# Altium PCB VESC_DEVICE_60100.PcbDoc
Units mm, origin at the board's own origin, x right, y up, seen from the top; angles counter-clockwise.
Board outline 72 x 52 mm, 4 copper layers (TOP, LAYER_1, LAYER_2, BOTTOM), stack 1.578 mm thick; 187 components, 127 nets, 629 pads, 43 vias.
Unrouted connection lines stored in the file: 115.
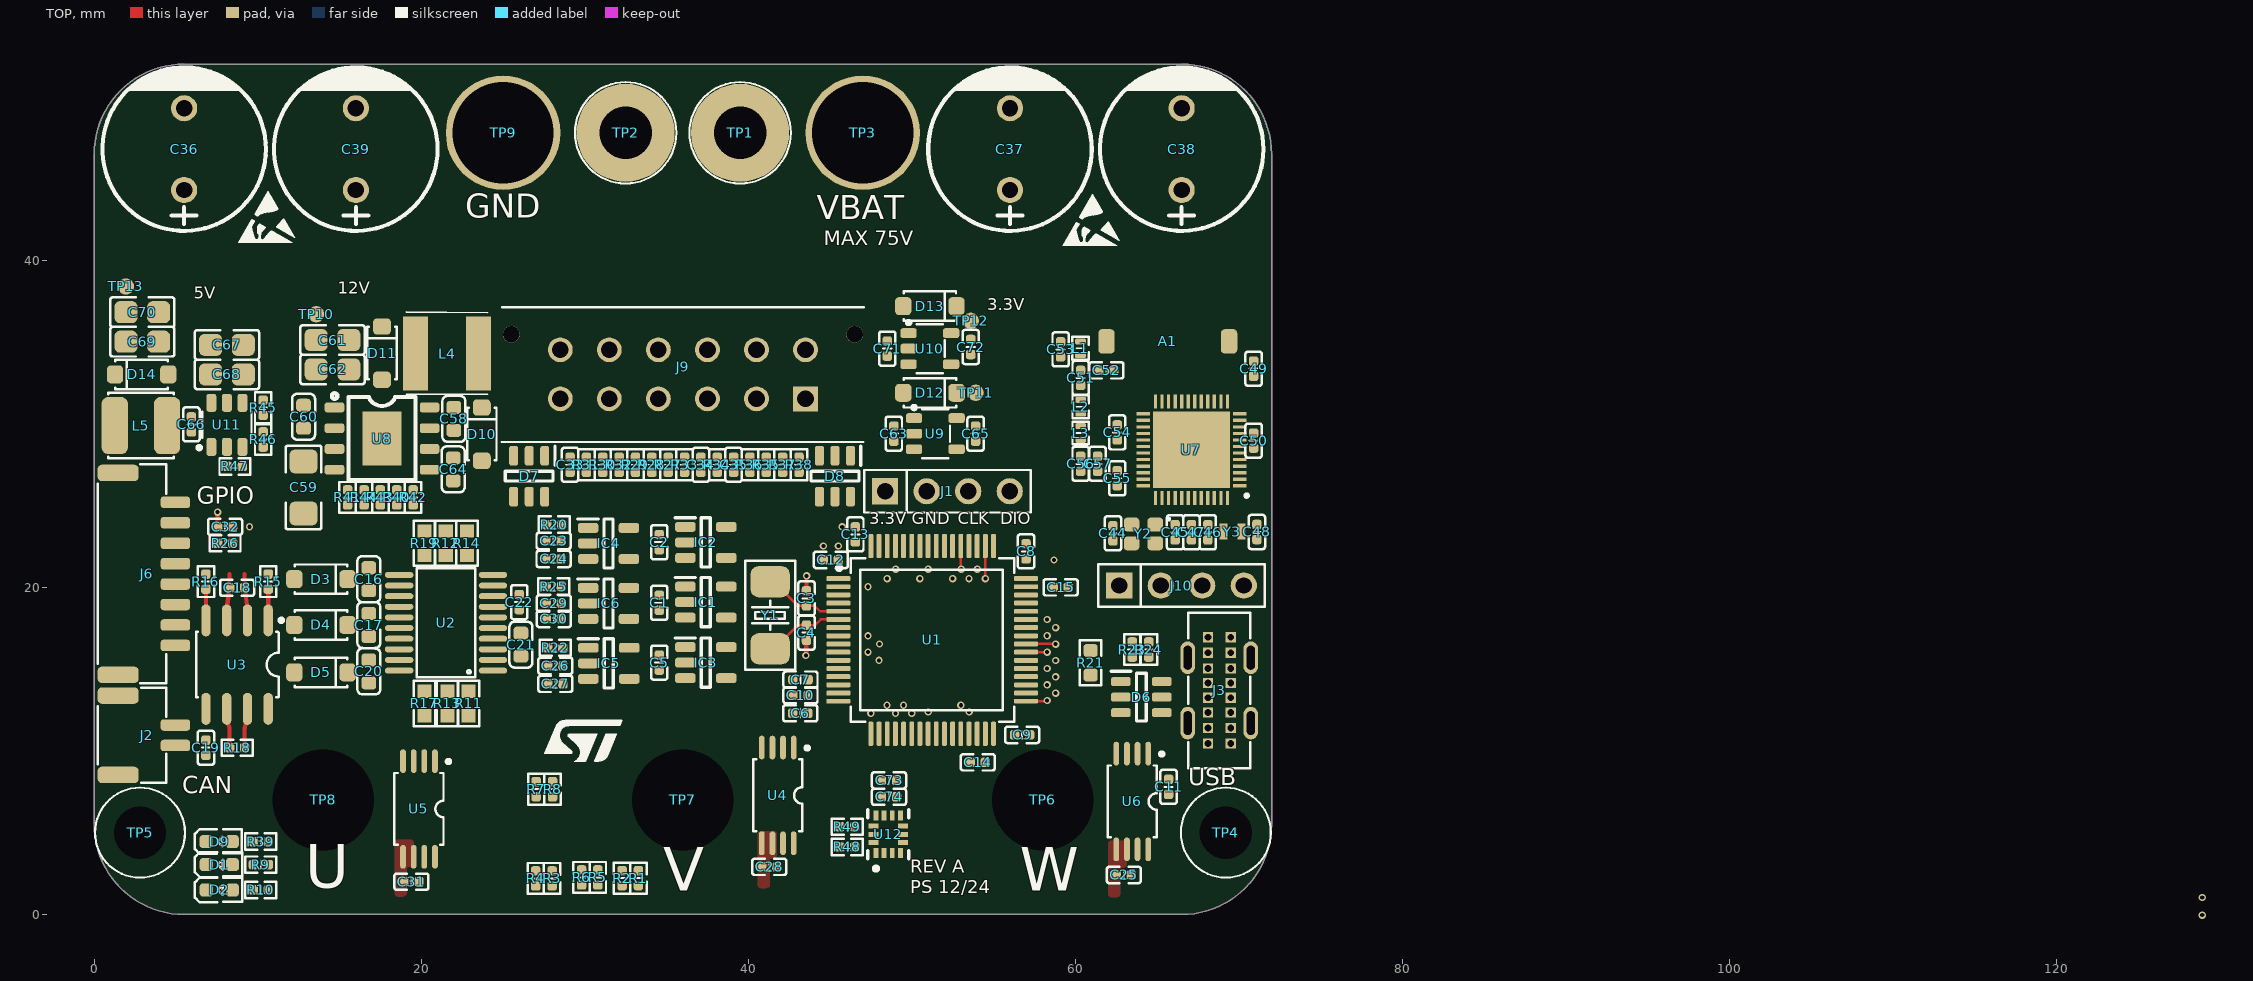
[diagram p0: TOP view]
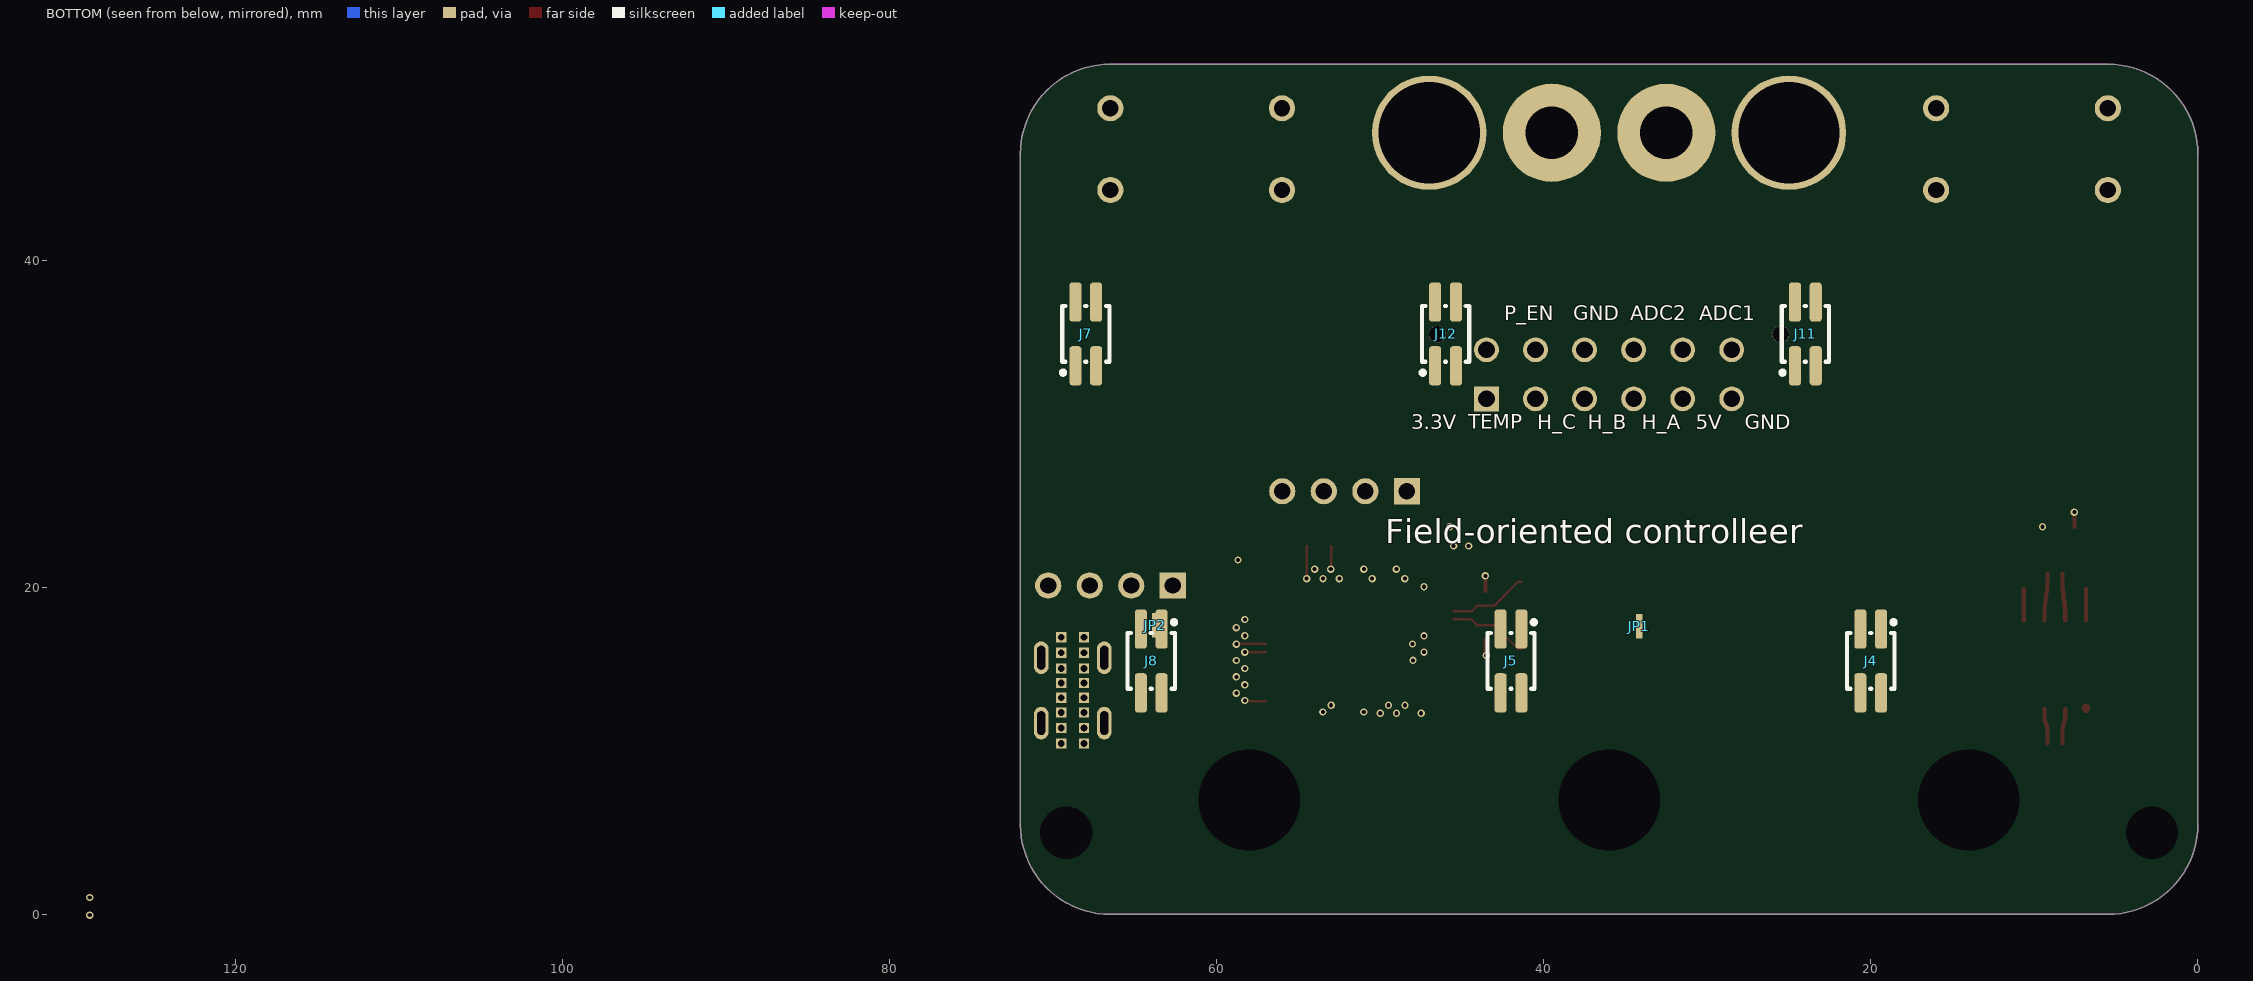
[diagram p1: BOTTOM view, seen from below]

## Layer stack, top to bottom
Top Solder: solder mask 0.0102, Solder Resist, Dk 3.5
TOP: signal copper 0.0305
Dielectric 1: core 0.2032, FR-4, Dk 4.5
LAYER_1: signal copper 0.0305
Dielectric2: core 1.05, Core-042, Dk 4.6
LAYER_2: signal copper 0.0305
Dielectric3: core 0.2032, FR-4, Dk 4.5
BOTTOM: signal copper 0.0305
Bottom Solder: solder mask 0.0102, Solder Resist, Dk 3.5

## Board outline
0,5.5 0,46.5 cw(c5.5,46.5) 5.5,52 66.5,52 cw(c66.5,46.5) 72,46.5 72,5.5 cw(c66.5,5.5) 66.5,0 5.5,0 cw(c5.5,5.5)

## Design rules (kind name [scope] priority, off if disabled: settings)
BoardOutlineClearance [All] p1: gap=0.254 ignorepadtopadclearanceinfootprint=FALSE except(0: Arc-SplitContinuation Track-SplitContinuation SMDPad-SplitContinuation THPad-SplitContinuation Via-SplitContinuation Fill-SplitContinuation Poly-SplitContinuation Region-SplitContinuation Text-SplitContinuation; 0.051: Arc-OutlineEdge Track-OutlineEdge SMDPad-OutlineEdge THPad-OutlineEdge Via-OutlineEdge Fill-OutlineEdge Region-OutlineEdge Text-OutlineEdge)
Clearance [All] p1: gap=0.152 ignorepadtopadclearanceinfootprint=FALSE except(0.254: THPad-Fill THPad-Poly THPad-Region Fill-Hole Poly-Hole Region-Hole)
HoleSize [All] p1: absolutevalues=TRUE maxlimit=25.4 minlimit=0.025 maxpercent=80.000 minpercent=20.000
MinimumSolderMaskSliver [All] p1: minsoldermaskwidth=0.051
PlaneConnect [All] p1: planeconnectstyle=Direct reliefexpansion=0.508 reliefentries=4 reliefconductorwidth=0.254 reliefairgap=0.254
PolygonConnect [All] p1: connectstyle=Direct reliefconductorwidth=0.254 reliefentries=4 polygonreliefangle="90 Angle" airgapwidth=0.254
RoutingVias [All] p1: holewidth=0.25 width=0.45 viastyle="Through Hole" minholewidth=0.25 minwidth=0.45 maxholewidth=0.711 maxwidth=1.27
ShortCircuit ShortCircuit_1 [InComponent('JP1','JP2')] p1: allowed=TRUE
ShortCircuit [All] p2: allowed=FALSE
SilkToSilkClearance [All] p1: silktosilkclearance=0.051
SilkToSolderMaskClearance [IsPad] p1: minsilkscreentomaskgap=0.025 clearancetoexposedcopper=TRUE
SolderMaskExpansion [All] p1: expansion=0.051 istentingtop=FALSE
SupplyNets "Schematic Supply Nets_10" [InNet('5V')] p1: voltage=0.000
SupplyNets "Schematic Supply Nets_9" [InNet('3V3')] p2: voltage=0.000
SupplyNets "Schematic Supply Nets_8" [InNet('VIN')] p3: voltage=0.000
SupplyNets "Schematic Supply Nets_7" [InNet('12V')] p4: voltage=0.000
SupplyNets "Schematic Supply Nets_6" [InNet('VBAT')] p5: voltage=0.000
SupplyNets "Schematic Supply Nets_5" [InNet('SHC')] p6: voltage=0.000
SupplyNets "Schematic Supply Nets_4" [InNet('SHA')] p7: voltage=0.000
SupplyNets "Schematic Supply Nets_3" [InNet('SHB')] p8: voltage=0.000
SupplyNets "Schematic Supply Nets_2" [InNet('3V3_RF')] p9: voltage=0.000
SupplyNets "Schematic Supply Nets_1" [InNet('PGND')] p10: voltage=0.000
SupplyNets "Schematic Supply Nets" [InNet('GND')] p11: voltage=0.000
Width [All] p1: maxlimit=2.54 minlimit=0.152 preferedwidth=0.254
24 further rules are at their usual default settings.

## Classes and differential pairs
component class BMI160: C73 C74 R48 R49 U12
component class Power: C58 C59 C60 C61 C62 C63 C64 C65 C66 C67 C68 C69 C70 C71 C72 D10 D11 D12 D13 D14 L4 L5 R40 R41 R42 R43 R44 R45 R46 R47 TP10 TP11 TP12 TP13 U8 U9 U10 U11
component class NRF51822: A1 C44 C45 C46 C47 C48 C49 C50 C51 C52 C53 C54 C55 C56 C57 D9 J10 L1 L2 L3 R39 U7 Y2 Y3
component class Connector: C32 C33 C34 C35 C36 C37 C38 C39 D7 D8 J4 J5 J6 J7 J8 J9 J11 J12 JP1 JP2 R26 R27 R28 R29 R30 R31 R32 R33 R34 R35 R36 R37 R38 TP1 TP2 TP3 TP4 TP5 TP6 TP7 TP8 TP9
component class Gate_Drive: C16 C17 C18 C19 C20 C21 C22 C23 C24 C25 C26 C27 C28 C29 C30 C31 D3 D4 D5 D6 IC4 IC5 IC6 J2 J3 R11 R12 R13 R14 R15 R16 R17 R18 R19 R20 R21 R22 R23 R24 R25 U2 U3 U4 U5 U6
component class MCU: C1 C2 C3 C4 C5 C6 C7 C8 C9 C10 C11 C12 C13 C14 C15 D1 D2 IC1 IC2 IC3 J1 R1 R2 R3 R4 R5 R6 R7 R8 R9 R10 U1 Y1

## Components (designator, comment, footprint, x,y, rotation, side; value= is the part's Value field where it differs from the comment)
A1 "MIFA Antenna" ANT-2.4GHZ-8.0X1.0MM 65.65,35.039 r0 top
C1 "100nF/50V" C0402 34.557,19.06 r270 top
C2 "100nF/50V" C0402 34.557,22.763 r90 top
C3 "15pF/50V" C0402 43.557,19.329 r270 top
C4 "15pF/50V" C0402 43.557,17.229 r90 top
C5 "100nF/50V" C0402 34.557,15.4 r270 top
C6 "100nF/50V" C0402 43.177,12.303 r180 top
C7 "100nF/50V" C0402 43.191,14.359 r0 top
C8 "2.2uF/6.3V" C0402 56.982,22.2 r270 top
C9 "2.2uF/6.3V" C0402 56.746,10.978 r180 top
C10 "2.2uF/6.3V" C0402 43.191,13.399 r0 top
C11 "2.2uF/6.3V" C0402 65.7,7.8 r270 top
C12 "2.2uF/6.3V" C0402 45.046,21.678 r0 top
C13 "2.2uF/6.3V" C0402 46.546,23.238 r270 top
C14 "2.2uF/6.3V" C0402 54.034,9.3 r180 top
C15 "2.2uF/6.3V" C0402 59.1,20 r0 top
C16 "2.2uF/50V" C0603 16.795,20.501 r270 top
C17 "2.2uF/50V" C0603 16.795,17.699 r270 top
C18 "2.2uF/6.3V" C0402 8.737,19.975 r180 top
C19 "2.2uF/6.3V" C0402 6.832,10.196 r270 top
C20 "2.2uF/50V" C0603 16.795,14.861 r270 top
C21 "10uF/16V" C0603 26.095,16.499 r90 top
C22 "100nF/50V" C0402 25.995,19.1 r270 top
C23 "1nF/50V" C0402 28.088,22.842 r0 top
C24 "15nF/50V" C0402 28.088,21.736 r0 top
C25 "2.2nF/50V" C0402 62.963,2.413 r180 top
C26 "1nF/50V" C0402 28.2,15.2 r0 top
C27 "15nF/50V" C0402 28.2,14.1 r0 top
C28 "2.2nF/50V" C0402 41.283,2.909 r180 top
C29 "1nF/50V" C0402 28.108,19.02 r0 top
C30 "15nF/50V" C0402 28.108,18.07 r0 top
C31 "2.2nF/50V" C0402 19.398,2.003 r180 top
C32 "100nF/50V" C0402 8.001,23.709 r0 top
C33 "100nF/50V" C0402 29.1,27.5 r270 top
C34 "100nF/50V" C0402 37.1,27.5 r90 top
C35 "100nF/50V" C0402 39.1,27.5 r90 top
C36 "680uF" CAP-TH_BD10.0-P5.00-D0.6-FD 5.5,46.8 r90 top
C37 "680uF" CAP-TH_BD10.0-P5.00-D0.6-FD 56,46.8 r90 top
C38 "680uF" CAP-TH_BD10.0-P5.00-D0.6-FD 66.5,46.8 r90 top
C39 "680uF" CAP-TH_BD10.0-P5.00-D0.6-FD 16,46.8 r90 top
C44 "12pF/50V" C0402 62.3,23.304 r90 top
C45 "12pF/50V" C0402 66.1,23.368 r270 top
C46 "12pF/50V" C0402 68.1,23.368 r270 top
C47 "100nF/50V" C0402 67.1,23.368 r270 top
C48 "12pF/50V" C0402 71.104,23.387 r270 top
C49 "1nF/50V" C0402 70.9,33.374 r270 top
C50 "100nF/50V" C0402 70.9,28.974 r270 top
C51 "3.9pF/50V" C0402 60.322,32.812 r270 top
C52 "1pF/50V" C0402 61.9,33.272 r180 top
C53 "1.5pF/50V" C0402 59.1,34.554 r90 top
C54 "47nF/50V" C0402 62.558,29.474 r270 top
C55 "100nF/50V" C0402 62.558,26.674 r270 top
C56 "2.2nF/50V" C0402 60.322,27.559 r90 top
C57 "1pF/50V" C0402 61.359,27.559 r90 top
C58 "100nF/100V" C0603 21.993,30.304 r90 top
C59 "2.2uF/100V" C1206 12.8,26.107 r270 top
C60 "100nF/100V" C0603 12.8,30.436 r90 top
C61 "22uF/16V" C0805 14.572,35.127 r0 top
C62 "22uF/16V" C0805 14.572,33.327 r0 top
C63 "10uF/6.3V" C0402 48.9,29.4 r90 top
C64 "2.2uF/50V" C0603 21.954,27.218 r270 top
C65 "10uF/6.3V" C0402 53.9,29.4 r270 top
C66 "10nF/50V" C0402 5.945,29.964 r270 top
C67 "22uF/16V" C0805 8.117,34.83 r180 top
C68 "22uF/16V" C0805 8.117,33.024 r180 top
C69 "22uF/6.3V" C0805 2.941,35.024 r0 top
C70 "22uF/6.3V" C0805 2.941,36.83 r0 top
C71 "10uF/6.3V" C0402 48.5,34.6 r270 top
C72 "10uF/6.3V" C0402 53.6,34.7 r270 top
C73 "100nF/50V" C0402 48.603,8.197 r180 top
C74 "2.2uF/50V" C0402 48.603,7.197 r180 top
D1 "LED_GREEN" LED0603 7.65,3.046 r0 top
D2 "LED_RED" LED0603 7.65,1.496 r0 top
D3 "DSK310" SOD-123F 13.867,20.5 r180 top
D4 "DSK310" SOD-123F 13.867,17.7 r180 top
D5 "DSK310" SOD-123F 13.867,14.8 r180 top
D6 "SRV05-4HTG" SOT95P280X145-6N 64.034,13.291 r0 top
D7 "SRV05-4HTG" SOT95P280X145-6N 26.6,26.8 r270 top
D8 "SRV05-4HTG" SOT95P280X145-6N 45.3,26.8 r270 top
D9 "LED_GREEN" LED0603 7.643,4.456 r0 top
D10 "DSK310" SOD-123F 23.7,29.372 r270 top
D11 "SMF12A" SOD-123F 17.6,34.328 r270 top
D12 "SMF3.3A" SOD-123F 51.107,31.9 r180 top
D13 "SMF3.3A" SOD-123F 51.1,37.2 r180 top
D14 "SMF5V0A" SOD-123F 2.9,33.024 r0 top
IC1 "MC74VHC1GT66" SOT95P275X110-5N 37.4,19.1 r0 top
IC2 "MC74VHC1GT66" SOT95P275X110-5N 37.4,22.75 r0 top
IC3 "MC74VHC1GT66" SOT95P275X110-5N 37.4,15.4 r0 top
IC4 "MC74VHC1GT66" SOT95P275X110-5N 31.45,22.686 r0 top
IC5 "MC74VHC1GT66" SOT95P275X110-5N 31.469,15.354 r0 top
IC6 "MC74VHC1GT66" SOT95P275X110-5N 31.45,19.02 r0 top
J1 "4 HEADER" ISP-4P-2_54 52.176,25.878 r0 top
J2 "1.25-2PWTDK" SMD-2P-1_25 3.014,10.957 r270 top
J3 "TYPE-C 16PLC-H10.0" TYPE-C-TH_16PLC-H10.0 68.8,13.7 r90 top
J4 "PZ127-2-02-S" HDR-SMD_4P-P1.27-V-M-R2-C2-LS5.3 20,15.5 r0 bottom
J5 "PZ127-2-02-S" HDR-SMD_4P-P1.27-V-M-R2-C2-LS5.3 42,15.5 r0 bottom
J6 "1.25-8PWTDK" SMD-8P-1_25 3.014,20.825 r270 top
J7 "PZ127-2-02-S" HDR-SMD_4P-P1.27-V-M-R2-C2-LS5.3 68,35.5 r180 bottom
J8 "PZ127-2-02-S" HDR-SMD_4P-P1.27-V-M-R2-C2-LS5.3 64,15.5 r0 bottom
J9 "43045-1212" 43045-12YY_121314 36,33.5 r0 top locked
J10 "4 HEADER" ISP-4P-2_54 66.49,20.114 r0 top
J11 "PZ127-2-02-S" HDR-SMD_4P-P1.27-V-M-R2-C2-LS5.3 24,35.5 r180 bottom
J12 "PZ127-2-02-S" HDR-SMD_4P-P1.27-V-M-R2-C2-LS5.3 46,35.5 r180 bottom
JP1 "Short" SHORT 34.15,17.622 r90 top
JP2 "Short" SHORT 63.75,17.682 r90 top
L1 "3.3nH" LQG15WH0N7B02D 60.311,34.614 r270 top
L2 "4.7nH" LQG15WH0N7B02D 60.322,31.039 r90 top
L3 "27nH" LQG15WH0N7B02D 60.322,29.439 r90 top
L4 "68uH_1A" L5040 21.575,34.3 r180 top
L5 "2.2uH_2A" L4020 2.854,29.896 r180 top
R1 "39K/1%" R0402 33.279,2.22 r270 top
R2 "2.2K/1%" R0402 32.279,2.22 r90 top
R3 "39K/1%" R0402 27.997,2.2 r270 top
R4 "2.2K/1%" R0402 26.997,2.2 r90 top
R5 "39K/1%" R0402 30.8,2.26 r270 top
R6 "2.2K/1%" R0402 29.8,2.26 r90 top
R7 "39K/1%" R0402 27.027,7.66 r270 top
R8 "2.2K/1%" R0402 28.027,7.66 r90 top
R9 "2.2K/1%" R0402 10.19,3.046 r180 top
R10 "2.2K/1%" R0402 10.19,1.496 r180 top
R11 "5.1R/1%" R0603#1 22.895,12.9 r90 top
R12 "5.1R/1%" R0603#1 21.495,22.7 r270 top
R13 "5.1R/1%" R0603#1 21.595,12.9 r90 top
R14 "5.1R/1%" R0603#1 22.795,22.7 r270 top
R15 "0R/1%" R0402 10.642,20.356 r90 top
R16 "0R/1%" R0402 6.832,20.356 r90 top
R17 "5.1R/1%" R0603#1 20.195,12.9 r90 top
R18 "120R/1%" R0402 8.737,10.196 r180 top
R19 "5.1R/1%" R0603#1 20.195,22.7 r270 top
R20 "100R/1%" R0402 28.138,23.839 r180 top
R21 "NC" R0603#2 60.934,15.39 r270 top
R22 "100R/1%" R0402 28.2,16.304 r180 top
R23 "22R/1%" R0402 63.48,16.201 r270 top
R24 "22R/1%" R0402 64.496,16.201 r270 top
R25 "100R/1%" R0402 28.108,20.054 r180 top
R26 "100R/1%" R0402 8.001,22.7 r180 top
R27 "4.7K/1%" R0402 35.1,27.5 r270 top
R28 "4.7K/1%" R0402 34.1,27.5 r270 top
R29 "4.7K/1%" R0402 33.1,27.5 r270 top
R30 "NC_10K/1%" R0402 31.1,27.5 r90 top
R31 "10K/1%" R0402 30.1,27.5 r270 top
R32 "NC_10K/1%" R0402 32.1,27.5 r90 top
R33 "100R/1%" R0402 36.1,27.5 r270 top
R34 "100R/1%" R0402 38.1,27.5 r270 top
R35 "NC_0R/1%" R0402 41.1,27.5 r270 top
R36 "NC_0R/1%" R0402 40.1,27.5 r90 top
R37 "NC_0R/1%" R0402 42.1,27.5 r270 top
R38 "NC_0R/1%" R0402 43.1,27.5 r90 top
R39 "1k/1%" R0402 10.19,4.456 r0 top
R40 "247K/1%" R0402 18.5,25.5 r270 top
R41 "100K/1%" R0402 15.492,25.5 r270 top
R42 "5.1K/1%" R0402 19.5,25.5 r90 top
R43 "30K/1%" R0402 17.5,25.5 r270 top
R44 "100K/1%" R0402 16.5,25.5 r90 top
R45 "100K/1%" R0402 10.329,30.988 r270 top
R46 "82K/1%" R0402 10.329,29.044 r270 top
R47 "11K/1%" R0402 8.607,27.396 r0 top
R48 "1K/1%" R0402 46.052,4.125 r180 top
R49 "1K/1%" R0402 46.052,5.36 r180 top
TP1 "TEST POINT" HOLE-4MM_M#1 39.5,47.8 r180 top
TP2 "TEST POINT" HOLE-4MM_M#1 32.5,47.8 r180 top
TP3 "TEST POINT" HOLE-8MM_M#1 47,47.8 r180 top
TP4 "TEST POINT" HOLE-4MM_M#2 69.2,5 r0 top locked
TP5 "TEST POINT" HOLE-4MM_M#2 2.8,5 r0 top
TP6 "TEST POINT" HOLE-8MM_M#2 58,7 r0 top locked
TP7 "TEST POINT" HOLE-8MM_M#2 36,7 r0 top locked
TP8 "TEST POINT" HOLE-8MM_M#2 14,7 r0 top locked
TP9 "TEST POINT" HOLE-8MM_M#1 25,47.8 r180 top
TP10 "TEST POINT" test_point_100_smd 13.571,36.7 r0 top
TP11 "TEST POINT" test_point_100_smd 53.9,31.9 r180 top
TP12 "TEST POINT" test_point_100_smd 53.6,36.3 r0 top
TP13 "TEST POINT" test_point_100_smd 1.94,38.4 r90 top
U1 "STM32F405RGT6" LQFP64_10X10_05P 51.256,16.789 r270 top
U2 "FD6288T" TSSOP-20 21.516,17.837 r90 top
U3 "TJA1042T/1J" SOP-8 8.737,15.276 r180 top
U4 "INA240A1PWR" TSSOP-8 41.798,7.278 r180 top
U5 "INA240A1PWR" TSSOP-8 19.859,6.449 r180 top
U6 "INA240A1PWR" TSSOP-8 63.478,6.908 r180 top
U7 "nRF51822-QFAA-R" QFN40P600X600X95-49N-D 67.1,28.414 r180 top
U8 "SCT2A23ASTER" ESOP-8_L4.9-W3.9-P1.27-LS6.0-BL-EP 17.6,29.1 r270 top
U9 "XC6219B332MR" SOT-23-5 51.435,29.4 r180 top
U10 "XC6219B332MR" SOT-23-5 51.1,34.6 r180 top
U11 "LP6460B6F" SOT-23-6 8.117,29.94 r270 top
U12 "BMI160" PQFN50P300X250X88-14N 48.555,4.9 r90 top
Y1 "8M" SMD5032-2P 41.336,18.295 r90 top
Y2 "16Mhz" Q22FA12800400 64.16,23.269 r180 top
Y3 "32.768Khz" ABS0532768KHZ9T 69.6,23.414 r180 top

## Footprints (in the part's own frame and the unit in brackets; to place one, negate y for a bottom-side part, rotate by r counter-clockwise, add the part's x,y. Pads: shape width x height; smd on the part's side, far side on the other; paste and mask are expansions set on the pad)
43045-12YY_121314 [mm]
  rect 1.52x1.52 hole 1.02: 1(7.5,-1.97)
  round 1.52 hole 1.02: 2(4.5,-1.97) 3(1.5,-1.97) 4(-1.5,-1.97) 5(-4.5,-1.97) 6(-7.5,-1.97) 7(7.5,1.03) 8(4.5,1.03) 9(1.5,1.03) 10(-1.5,1.03) 11(-4.5,1.03) 12(-7.5,1.03)
  round 1.02 hole 1.02 unplated: 13(10.5,1.97) 14(-10.5,1.97)
  silkscreen extent -11.1,-4.6 11.07,3.63, body extent -10.95,-4.51 11.19,4.26, height 8.83
ABS0532768KHZ9T [mm]
  rect 0.5x1 smd: 1(-0.55,0) 2(0.55,0)
  silkscreen extent -1.4,-0.05 -1.3,0.05, body extent -0.8,-0.5 0.8,0.5, height 0.5
ANT-2.4GHZ-8.0X1.0MM [mm] "ANT-2.4GHZ-8.0X1.0MM"
  rrect50% 1x1.5 smd: 1(-3.75,0) NC(3.75,0)
  body extent -4.75,-1.05 4.75,1.05, height 1
C0402 [mm] "C0402"
  rrect52% 0.58x0.58 smd mask+0.05: 1(-0.46,0) 2(0.46,0)
  silkscreen extent -1.04,-0.5 1.04,0.5, body extent -0.5,-0.25 0.5,0.25, height 0.55
C0603 [mil] "C0603"
  rrect50% 31.5x35.4 smd: 1(-27.6,0) 2(27.6,0)
  silkscreen extent -55,-28 55,28, body extent -32,-16 31,16, height 35
C0805 [mil] "C0805"
  rrect50% 55.5x53.1 smd: 1(-39.4,0) 2(39.4,0)
  silkscreen extent -77,-36 77,36, body extent -39,-25 39,25, height 55
C1206 [mil] "C1206"
  rrect50% 58.5x68 smd: 1(-62.7,0) 2(62.6,0)
  silkscreen extent -101,-43 101,43, body extent -63,-31 63,31, height 50
CAP-TH_BD10.0-P5.00-D0.6-FD [mm]
  round 1.6 hole 1 paste-2539.97 mask+0.05: 1(-2.5,0) 2(2.5,0)
  silkscreen extent -5,-5 5.08,5, body extent -4.99,-5 5,5, height 24.91
ESOP-8_L4.9-W3.9-P1.27-LS6.0-BL-EP [mm]
  rrect50% 0.6x1.2 smd: 1(-1.905,-2.908) 2(-0.635,-2.908) 3(0.635,-2.908) 4(1.905,-2.908) 5(1.905,2.908) 6(0.635,2.908) 7(-0.635,2.908) 8(-1.905,2.908)
  rect 3.3x2.4 smd: 9(0,0)
  silkscreen extent -2.77,-3.07 2.55,2.05, body extent -2.45,-3 2.45,3, height 1.5
HDR-SMD_4P-P1.27-V-M-R2-C2-LS5.3 [mm]
  rrect50% 0.74x2.4 smd paste+0 mask+0.05: 1(-0.635,-1.95) 2(-0.635,1.95) 3(0.635,-1.95) 4(0.635,1.95)
  silkscreen extent -1.52,-2.49 1.45,1.7, body extent -1.47,-2.4 1.47,2.4, height 4.5
HOLE-4MM_M#1 [mm]
  round 6 hole 3.2: 1(0,0)
  silkscreen extent -3.1,-3.1 3.1,3.1
HOLE-4MM_M#2 [mm]
  round 0 hole 3.2 unplated: 1(0,0)
  silkscreen extent -2.75,-2.75 2.75,2.75
HOLE-8MM_M#1 [mm]
  round 7 hole 6.2: 1(0,0)
HOLE-8MM_M#2 [mm]
  round 0 hole 6.2 unplated: 1(0,0)
ISP-4P-2_54 [mm] "ISP-4P-2_54"
  rect 1.6x1.6 hole 1: 1(-3.81,0)
  round 1.6 hole 1: 2(-1.27,0) 3(1.27,0) 4(3.81,0)
  silkscreen extent -5.1,-1.3 5.1,1.3, body extent -5.08,-1.33 5.09,1.33, height 8.54
L4020 [mil] "L4020"
  rrect50% 63x137.8 smd: 1(-63,0) 2(63,0)
  silkscreen extent -79,-79 79,79, body extent -79,-79 79,79, height 73
L5040 [mm]
  rect 1.55x4.5 smd: 1(-1.925,0) 2(1.925,0)
  silkscreen extent -2.5,-2.54 2.5,2.5, body extent -2.5,-2.52 2.5,2.48, height 4.01
LED0603 [mil] "LED0603"
  rrect50% 31.5x31.5 smd: 1(-31.5,0) 2(31.5,0)
  silkscreen extent -59,-30 55,30
LQFP64_10X10_05P [mm] "LQFP64_10X10_05P"
  rrect50% 0.3x1.475 smd: 1(-3.749,-5.751) 2(-3.249,-5.751) 3(-2.749,-5.751) 4(-2.249,-5.751) 5(-1.749,-5.751) 6(-1.249,-5.751) 7(-0.749,-5.751) 8(-0.249,-5.751) 9(0.251,-5.751) 10(0.751,-5.751) 11(1.251,-5.751) 12(1.751,-5.751) 13(2.251,-5.751) 14(2.751,-5.751) 15(3.251,-5.751) 16(3.751,-5.751) 33(3.751,5.725) 34(3.251,5.725) 35(2.751,5.725) 36(2.251,5.725) 37(1.751,5.725) 38(1.251,5.725) 39(0.751,5.725) 40(0.251,5.725) 41(-0.249,5.725) 42(-0.749,5.725) 43(-1.249,5.725) 44(-1.749,5.725) 45(-2.249,5.725) 46(-2.749,5.725) 47(-3.249,5.725) 48(-3.749,5.725)

## Text inside footprints (layer, text, board x,y; h text height)
U1: PIN_NUMBER "3" at 45.252,19.54 h0.64; PIN_NUMBER "4" at 45.252,19.04 h0.64; PIN_NUMBER "49" at 54.497,22.54 h0.64 r270; PIN_NUMBER "36" at 56.499,14.539 h0.64; PIN_NUMBER "12" at 44.998,15.039 h0.64; PIN_NUMBER "18" at 47.497,11.039 h0.64 r270; PIN_NUMBER "63" at 47.497,22.54 h0.64 r270; PIN_NUMBER "60" at 48.998,22.54 h0.64 r270; PIN_NUMBER "22" at 49.499,11.039 h0.64 r270; PIN_NUMBER "8" at 45.252,17.038 h0.64; PIN_NUMBER "5" at 45.252,18.54 h0.64; PIN_NUMBER "15" at 44.998,13.538 h0.64; PIN_NUMBER "62" at 47.997,22.54 h0.64 r270; PIN_NUMBER "39" at 56.499,16.04 h0.64; PIN_NUMBER "35" at 56.499,14.039 h0.64; PIN_NUMBER "26" at 51.498,11.039 h0.64 r270; PIN_NUMBER "11" at 44.998,15.54 h0.64; PIN_NUMBER "9" at 45.252,16.541 h0.64; PIN_NUMBER "47" at 56.499,20.041 h0.64; PIN_NUMBER "41" at 56.499,17.038 h0.64; PIN_NUMBER "31" at 53.999,11.039 h0.64 r270; PIN_NUMBER "45" at 56.499,19.04 h0.64; PIN_NUMBER "46" at 56.499,19.54 h0.64; PIN_NUMBER "44" at 56.499,18.54 h0.64; PIN_NUMBER "25" at 50.997,11.039 h0.64 r270; PIN_NUMBER "61" at 48.498,22.54 h0.64 r270; PIN_NUMBER "43" at 56.499,18.039 h0.64; PIN_NUMBER "10" at 44.998,16.04 h0.64; PIN_NUMBER "27" at 51.998,11.039 h0.64 r270; PIN_NUMBER "34" at 56.499,13.538 h0.64; PIN_NUMBER "37" at 56.499,15.039 h0.64; PIN_NUMBER "21" at 48.998,11.039 h0.64 r270; PIN_NUMBER "52" at 52.999,22.54 h0.64 r270; PIN_NUMBER "24" at 50.499,11.039 h0.64 r270; PIN_NUMBER "42" at 56.499,17.539 h0.64; PIN_NUMBER "17" at 46.999,11.039 h0.64 r270; PIN_NUMBER "30" at 53.499,11.039 h0.64 r270; PIN_NUMBER "20" at 48.498,11.039 h0.64 r270; PIN_NUMBER "58" at 49.999,22.54 h0.64 r270; PIN_NUMBER "6" at 45.252,18.039 h0.64; PIN_NUMBER "29" at 52.999,11.039 h0.64 r270; PIN_NUMBER "23" at 49.999,11.039 h0.64 r270; PIN_NUMBER "14" at 44.998,14.039 h0.64; PIN_NUMBER "48" at 56.499,20.538 h0.64; PIN_NUMBER "13" at 44.998,14.539 h0.64; PIN_NUMBER "1" at 45.252,20.538 h0.64; PIN_NUMBER "64" at 46.999,22.54 h0.64 r270; PIN_NUMBER "19" at 47.997,11.039 h0.64 r270; PIN_NUMBER "32" at 54.497,11.039 h0.64 r270; PIN_NUMBER "16" at 44.998,13.04 h0.64; PIN_NUMBER "7" at 45.252,17.539 h0.64; PIN_NUMBER "38" at 56.499,15.54 h0.64; PIN_NUMBER "59" at 49.499,22.54 h0.64 r270; PIN_NUMBER "51" at 53.499,22.54 h0.64 r270; PIN_NUMBER "50" at 53.999,22.54 h0.64 r270; PIN_NUMBER "40" at 56.499,16.541 h0.64; PIN_NUMBER "54" at 51.998,22.54 h0.64 r270; PIN_NUMBER "53" at 52.498,22.54 h0.64 r270; PIN_NUMBER "33" at 56.499,13.04 h0.64; PIN_NUMBER "28" at 52.498,11.039 h0.64 r270; PIN_NUMBER "2" at 45.252,20.041 h0.64; PIN_NUMBER "56" at 50.997,22.54 h0.64 r270; PIN_NUMBER "57" at 50.499,22.54 h0.64 r270; PIN_NUMBER "55" at 51.498,22.54 h0.64 r270
U2: PIN_NUMBER "13" at 19.817,20.654 h0.64 r90; PIN_NUMBER "16" at 19.817,18.653 h0.64 r90; PIN_NUMBER "19" at 19.817,16.753 h0.64 r90; PIN_NUMBER "3" at 23.416,16.745 h0.64 r90; PIN_NUMBER "6" at 23.416,18.744 h0.64 r90; PIN_NUMBER "2" at 23.416,16.146 h0.64 r90; PIN_NUMBER "5" at 23.416,18.046 h0.64 r90; PIN_NUMBER "1" at 23.416,15.445 h0.64 r90; PIN_NUMBER "4" at 23.416,17.446 h0.64 r90; PIN_NUMBER "12" at 19.817,21.254 h0.64 r90; PIN_NUMBER "8" at 23.416,20.045 h0.64 r90; PIN_NUMBER "18" at 19.817,17.352 h0.64 r90; PIN_NUMBER "15" at 19.817,19.354 h0.64 r90; PIN_NUMBER "7" at 23.416,19.445 h0.64 r90; PIN_NUMBER "11" at 19.817,21.952 h0.64 r90; PIN_NUMBER "10" at 23.416,21.952 h0.64 r90; PIN_NUMBER "9" at 23.416,20.647 h0.64 r90; PIN_NUMBER "20" at 19.817,16.054 h0.64 r90; PIN_NUMBER "14" at 19.817,19.953 h0.64 r90; PIN_NUMBER "17" at 19.817,18.053 h0.64 r90
U3: PIN_NUMBER "8" at 9.928,12.777 h0.64 r180; PIN_NUMBER "2" at 8.628,18.276 h0.64 r180; PIN_NUMBER "5" at 6.128,12.876 h0.64 r180; PIN_NUMBER "3" at 7.429,18.276 h0.64 r180; PIN_NUMBER "6" at 7.429,12.876 h0.64 r180; PIN_NUMBER "7" at 8.729,12.876 h0.64 r180; PIN_NUMBER "1" at 9.928,18.276 h0.64 r180; PIN_NUMBER "4" at 6.128,18.276 h0.64 r180
U4: PIN_NUMBER "5" at 41.107,4.677 h0.64 r180; PIN_NUMBER "6" at 41.806,4.677 h0.64 r180; PIN_NUMBER "8" at 43.106,4.677 h0.64 r180; PIN_NUMBER "2" at 42.405,10.478 h0.64 r180; PIN_NUMBER "7" at 42.507,4.677 h0.64 r180; PIN_NUMBER "4" at 41.107,10.478 h0.64 r180; PIN_NUMBER "3" at 41.806,10.478 h0.64 r180; PIN_NUMBER "1" at 43.106,10.478 h0.64 r180
U5: PIN_NUMBER "5" at 19.168,3.848 h0.64 r180; PIN_NUMBER "6" at 19.867,3.848 h0.64 r180; PIN_NUMBER "8" at 21.167,3.848 h0.64 r180; PIN_NUMBER "2" at 20.466,9.65 h0.64 r180; PIN_NUMBER "7" at 20.568,3.848 h0.64 r180; PIN_NUMBER "4" at 19.168,9.65 h0.64 r180; PIN_NUMBER "3" at 19.867,9.65 h0.64 r180; PIN_NUMBER "1" at 21.167,9.65 h0.64 r180
U6: PIN_NUMBER "5" at 62.787,4.307 h0.64 r180; PIN_NUMBER "6" at 63.486,4.307 h0.64 r180; PIN_NUMBER "8" at 64.786,4.307 h0.64 r180; PIN_NUMBER "2" at 64.085,10.109 h0.64 r180; PIN_NUMBER "7" at 64.187,4.307 h0.64 r180; PIN_NUMBER "4" at 62.787,10.109 h0.64 r180; PIN_NUMBER "3" at 63.486,10.109 h0.64 r180; PIN_NUMBER "1" at 64.786,10.109 h0.64 r180
U9: PIN_NUMBER "4" at 52.634,29.207 h0.64 r180; PIN_NUMBER "2" at 49.934,30.208 h0.64 r180; PIN_NUMBER "5" at 52.634,31.107 h0.64 r180; PIN_NUMBER "1" at 49.934,31.208 h0.64 r180; PIN_NUMBER "3" at 49.835,29.207 h0.64 r180
U10: PIN_NUMBER "4" at 52.299,34.407 h0.64 r180; PIN_NUMBER "2" at 49.599,35.408 h0.64 r180; PIN_NUMBER "5" at 52.299,36.307 h0.64 r180; PIN_NUMBER "1" at 49.599,36.408 h0.64 r180; PIN_NUMBER "3" at 49.5,34.407 h0.64 r180
U11: PIN_NUMBER "2" at 8.325,28.439 h0.64 r270; PIN_NUMBER "3" at 9.326,28.541 h0.64 r270; PIN_NUMBER "6" at 7.324,31.139 h0.64 r270; PIN_NUMBER "1" at 7.324,28.439 h0.64 r270; PIN_NUMBER "4" at 9.326,31.139 h0.64 r270; PIN_NUMBER "5" at 8.325,31.139 h0.64 r270
Y1: PIN_NUMBER "1" at 41.028,16.395 h0.64 r90; PIN_NUMBER "2" at 41.127,20.596 h0.64 r90